# Altium PCB ARES_R06_Power.PcbDoc (part 3 of 4) (continued)
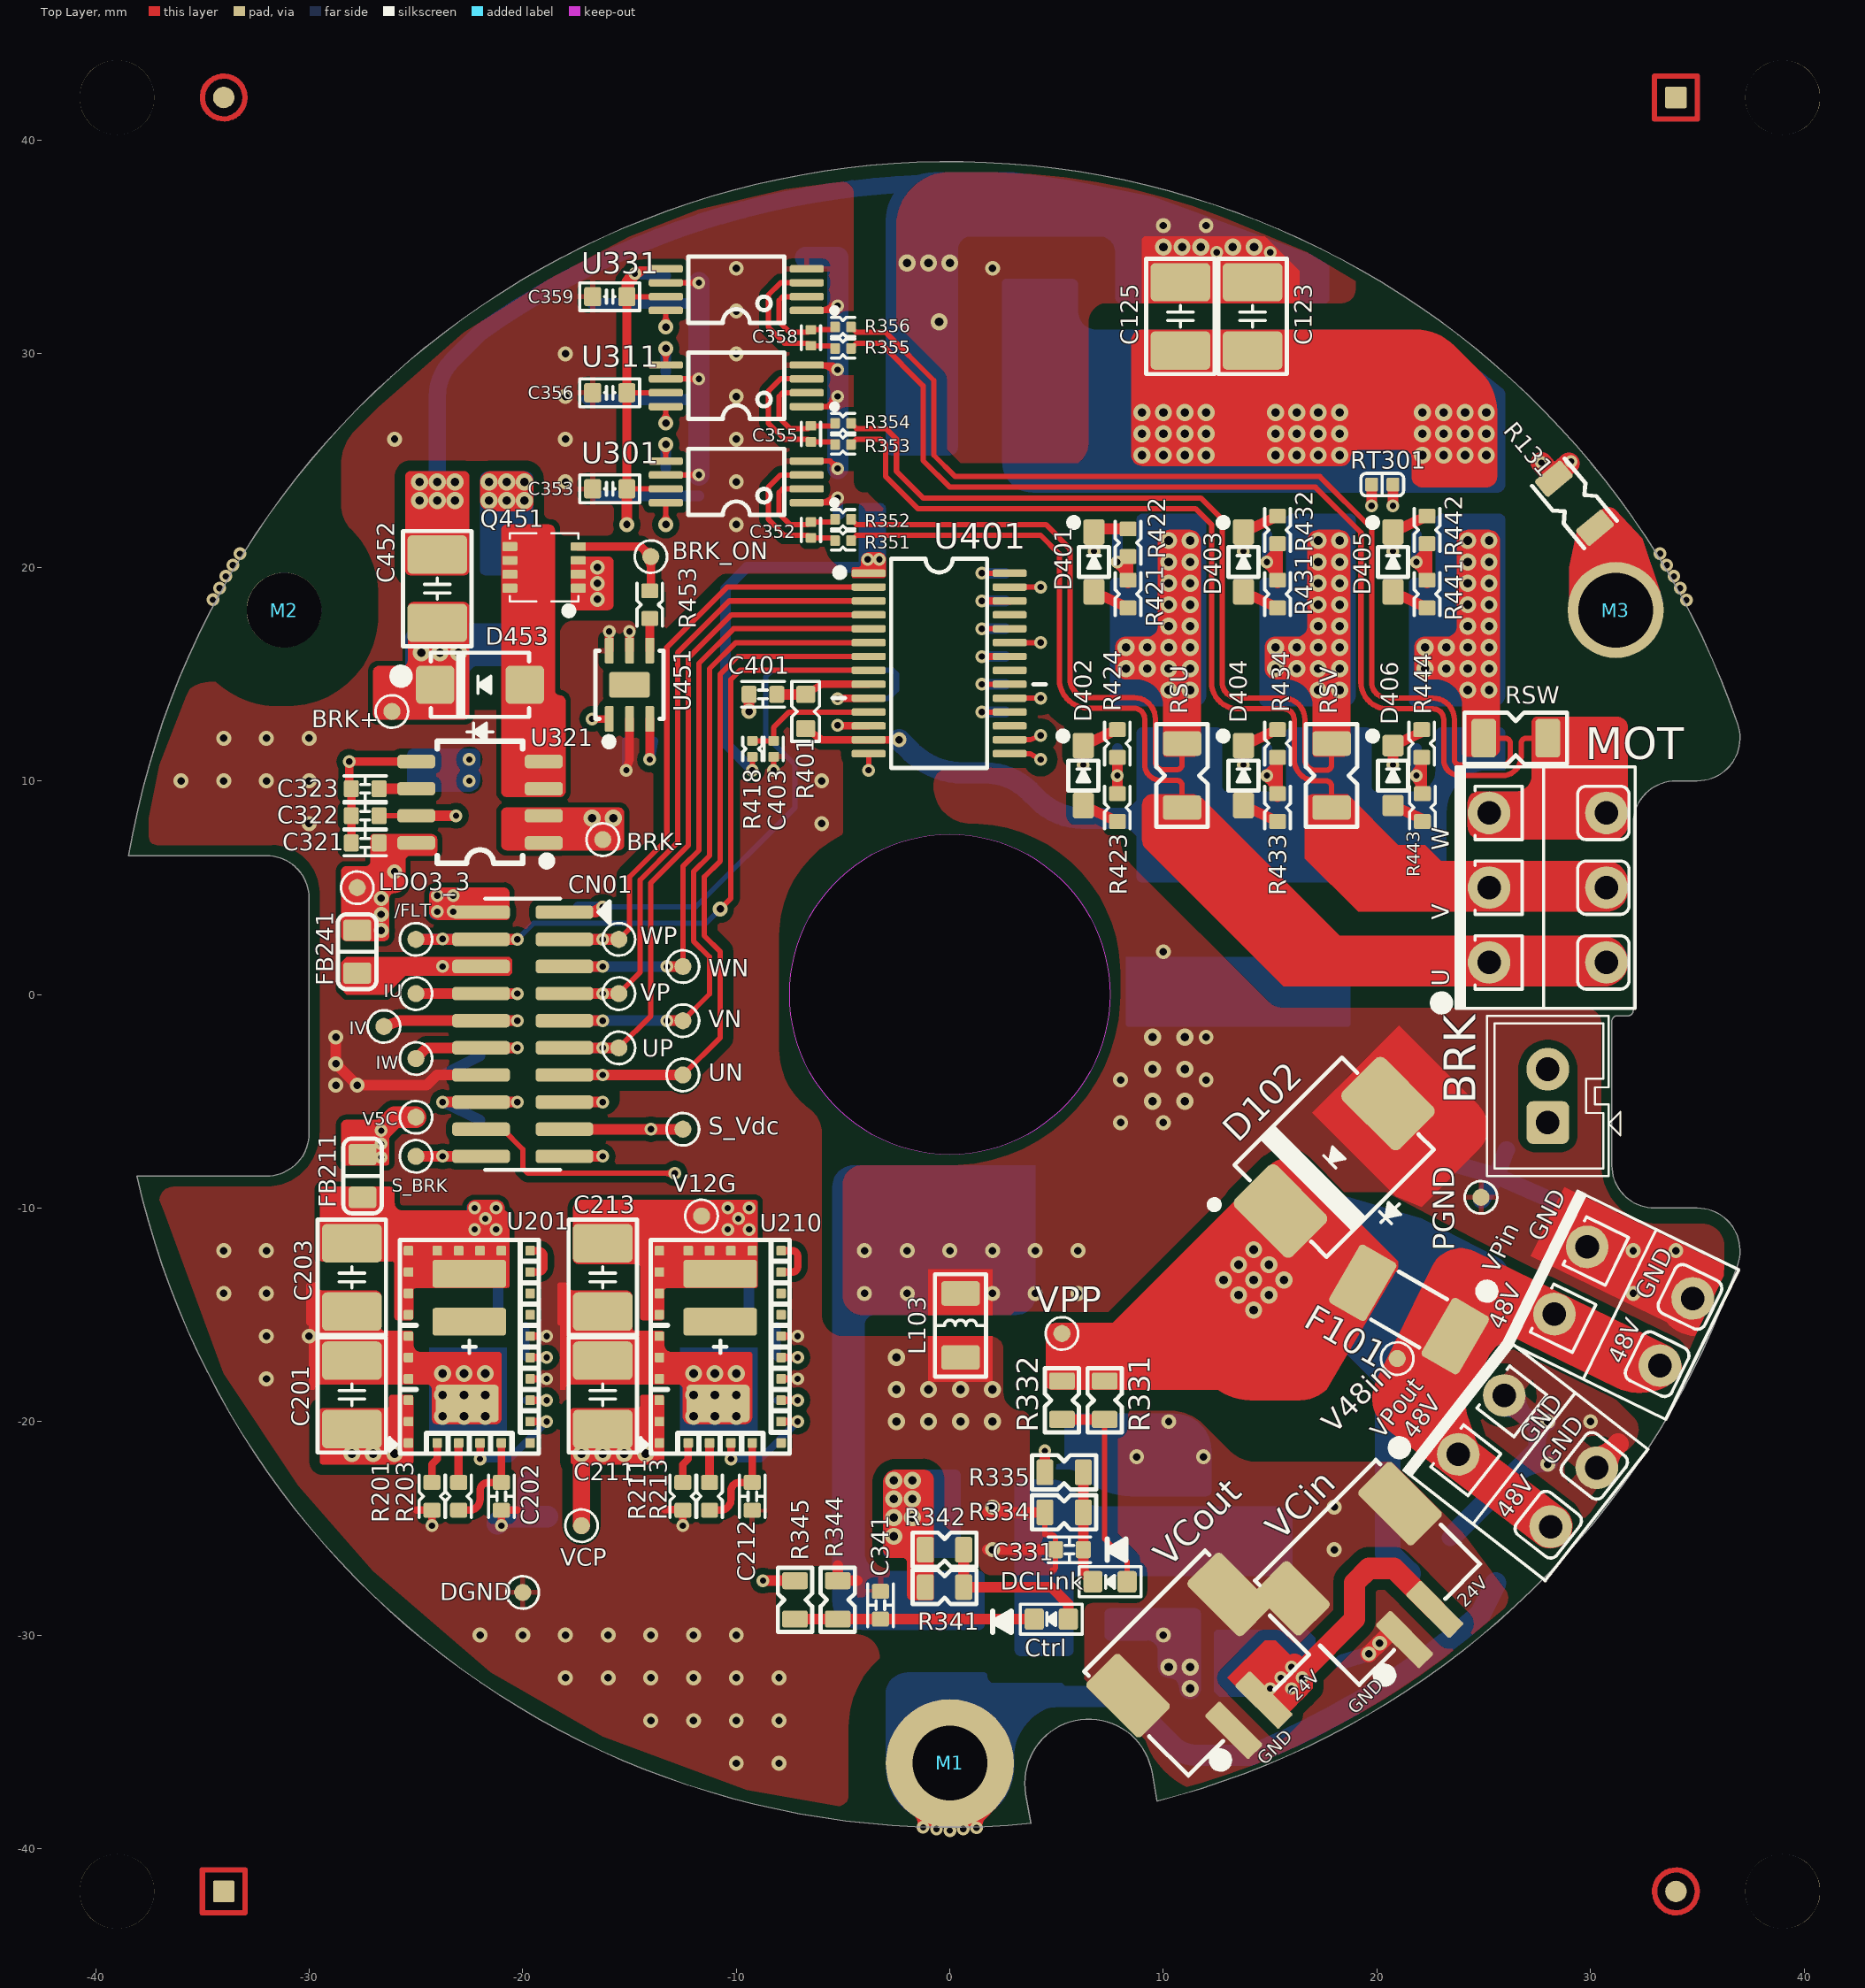
[diagram p0: Top Layer view]
## Other copper (continued)
  pour cut-out: 15.457,10.25 15.457,11.582 cw(c16,11.582) 16,12.125 8.375,12.125 8.375,11.125 8.62,11.125 cw(c8.62,10.683) 9.063,10.683 11.796,10.683 cw(c11.796,10.641) 11.837,10.641 11.837,10.837 cw(c12.125,10.837) 12.125,11.125 13.125,11.125 cw(c13.125,10.375) 13.875,10.375 ccw(c14,10.375) 14,10.25 14.375,10.25
  pour cut-out: -9.7,-28.25 -7.5,-28.25 -7.5,-27.8 -9.7,-27.8
Mid Layer 3:
  region net PH_U: 7.75,16.25 cw(c8.25,16.25) 8.25,16.75 ccw(c8.25,17.25) 8.75,17.25 8.75,21.25 cw(c9.25,21.25) 9.25,21.75 11.25,21.75 cw(c11.25,21.25) 11.75,21.25 11.75,14.25 cw(c11.25,14.25) 11.25,13.75 8.25,13.75 cw(c8.25,14.25) 7.75,14.25
  region net PH_V: 14.75,16.25 cw(c15.25,16.25) 15.25,16.75 ccw(c15.25,17.25) 15.75,17.25 15.75,21.25 cw(c16.25,21.25) 16.25,21.75 18.25,21.75 cw(c18.25,21.25) 18.75,21.25 18.75,14.25 cw(c18.25,14.25) 18.25,13.75 15.25,13.75 cw(c15.25,14.25) 14.75,14.25
  region net PH_W: 21.75,16.25 cw(c22.25,16.25) 22.25,16.75 ccw(c22.25,17.25) 22.75,17.25 22.75,21.25 cw(c23.25,21.25) 23.25,21.75 25.25,21.75 cw(c25.25,21.25) 25.75,21.25 25.75,14.25 cw(c25.25,14.25) 25.25,13.75 22.25,13.75 cw(c22.25,14.25) 21.75,14.25
  pour cut-out: 5,-6.125 5,-6.75 ccw(c6.125,-6.75) 6.125,-7.875 4.25,-7.875 cw(c4.25,-7.75) 4.125,-7.75 4.125,-6.375 cw(c4.375,-6.375) 4.375,-6.125
  region net PGND: -22.75,24.125 ccw(c-23.125,24.125) -23.125,24.5 -24.875,24.5 ccw(c-24.875,24.125) -25.25,24.125 -25.25,23 ccw(c-24.875,23) -24.875,22.625 -23.125,22.625 ccw(c-23.125,23) -22.75,23
  region net V48P: -19.5,24.125 ccw(c-19.875,24.125) -19.875,24.5 -21.625,24.5 ccw(c-21.625,24.125) -22,24.125 -22,23 ccw(c-21.625,23) -21.625,22.625 -19.875,22.625 ccw(c-19.875,23) -19.5,23
  region net PGND: 26.5,27.043 26.5,26.7 ccw(c27.6,26.7) 27.6,25.6 28.759,25.6 cw(c28.759,25.259) 29,25.5 29.412,25.088 cw(c28.715,24.392) 29.7,24.392 29.7,24.1 cw(c29.35,24.1) 29.35,23.75 27.25,23.75 ccw(c27.25,23) 26.502,22.95 26.15,22.95 26.15,27.05
  pour cut-out: -24.95,25.01 ccw(c-24.95,24.2) -25.76,24.2 -25.76,22.925 ccw(c-24.95,22.925) -24.95,22.115 -19.7,22.115 ccw(c-19.7,22.825) -18.99,22.825 -18.99,24.158 ccw(c-19.842,24.158) -19.842,25.01
  region net V24C: -3.125,-22.75 cw(c-2.625,-22.75) -2.625,-22.25 -1.75,-22.25 cw(c-1.75,-22.75) -1.25,-22.75 -1.25,-24.5 cw(c-1.75,-24.5) -1.75,-25 ccw(c-1.75,-25.375) -2.125,-25.375 cw(c-2.625,-25.375) -2.625,-25.875 cw(c-2.625,-25.375) -3.125,-25.375
  pour cut-out: -4.487,-9.811 ccw(c-4.487,-10.323) -5,-10.323 -5,-10.52 -5.105,-10.52 cw(c-5.105,-10) -5.625,-10 -5.625,-9.5 cw(c-5.375,-9.5) -5.375,-9.25 -4.75,-9.25 cw(c-4.75,-9.5) -4.5,-9.5
  pour cut-out: -8.584,5.377 -7.724,5.377 ccw(c-7.724,6.224) -7.125,5.625 cw(c-7.125,5.323) -6.912,5.537 -6.75,5.375 -6.75,5.229 cw(c-7.604,5.229) -7,4.625 -7.418,4.625 cw(c-7.418,6.332) -8.625,5.125
  pour cut-out: 12.25,20.75 12.25,21.75 cw(c12.625,21.75) 12.625,22.125 12,22.125 ccw(c12,21.875) 11.75,21.875 11.75,20.875 ccw(c11.875,20.875) 11.875,20.75
  pour cut-out: 11.349,13.24 25.25,13.24 ccw(c25.25,14.25) 26.26,14.25 26.26,20.99 ccw(c25,20.99) 25,22.25 6.75,22.25 ccw(c6.75,21.625) 6.125,21.625 6.125,14.625 6.894,14.625 cw(c6.894,14.278) 7.24,14.278 ccw(c8.269,14.278) 8.269,13.25 9.375,13.25
  region net +5V: -23.125,3.5 ccw(c-23.125,3.75) -22.875,3.75 -22.875,4.75 ccw(c-23.125,4.75) -23.125,5 -24.125,5 ccw(c-24.125,4.75) -24.375,4.75 -24.375,3.75 ccw(c-24.125,3.75) -24.125,3.5
Mid Layer 4:
  pour cut-out: 17.25,29.5 20.5,29.5 ccw(c20.5,30) 21,30 21,31.198 ccw(c18.46,31.198) 20.256,32.994 20,33.25 20.543,33.25 cw(c20.543,31.543) 21.75,32.75 21.75,29.854 cw(c20.896,29.854) 21.5,29.25 17.25,29.25
  region net PH_W: 22.25,13.75 25.25,13.75 ccw(c25.25,14.25) 25.75,14.25 25.75,21.25 ccw(c25.25,21.25) 25.25,21.75 24.25,21.75 ccw(c24.25,21.25) 23.75,21.25 23.75,17.25 cw(c23.25,17.25) 23.25,16.75 22.25,16.75 ccw(c22.25,16.25) 21.75,16.25 21.75,14.25 ccw(c22.25,14.25)
  region net PH_U: 9.25,14.75 cw(c9.25,14.25) 9.75,14.25 ccw(c10.25,14.25) 10.25,13.75 11.25,13.75 ccw(c11.25,14.25) 11.75,14.25 11.75,21.25 ccw(c11.25,21.25) 11.25,21.75 10.25,21.75 ccw(c10.25,21.25) 9.75,21.25 9.75,17.25 cw(c9.25,17.25) 9.25,16.75 8.25,16.75 ccw(c8.25,16.25) 7.75,16.25 7.75,15.25 ccw(c8.25,15.25) 8.25,14.75
  region net PH_V: 16.25,14.75 cw(c16.25,14.25) 16.75,14.25 ccw(c17.25,14.25) 17.25,13.75 18.25,13.75 ccw(c18.25,14.25) 18.75,14.25 18.75,21.25 ccw(c18.25,21.25) 18.25,21.75 17.25,21.75 ccw(c17.25,21.25) 16.75,21.25 16.75,17.25 cw(c16.25,17.25) 16.25,16.75 15.25,16.75 ccw(c15.25,16.25) 14.75,16.25 14.75,15.25 ccw(c15.25,15.25) 15.25,14.75
  region net PGND: -22.75,24.125 ccw(c-23.125,24.125) -23.125,24.5 -24.875,24.5 ccw(c-24.875,24.125) -25.25,24.125 -25.25,23 ccw(c-24.875,23) -24.875,22.625 -23.125,22.625 ccw(c-23.125,23) -22.75,23
  region net V48P: -19.5,24.125 ccw(c-19.875,24.125) -19.875,24.5 -21.625,24.5 ccw(c-21.625,24.125) -22,24.125 -22,23 ccw(c-21.625,23) -21.625,22.625 -19.875,22.625 ccw(c-19.875,23) -19.5,23
  pour cut-out: -24.95,25.01 ccw(c-24.95,24.2) -25.76,24.2 -25.76,22.925 ccw(c-24.95,22.925) -24.95,22.115 -19.7,22.115 ccw(c-19.7,22.825) -18.99,22.825 -18.99,24.158 ccw(c-19.842,24.158) -19.842,25.01
  pour cut-out: 30.5,-1 ccw(c29.875,-1) 29.875,-0.375 26.875,-0.375 ccw(c26.875,-1) 26.25,-1 26.25,-1.75 cw(c26,-1.75) 26,-2 cw(c26,-1.875) 25.875,-1.875 25.875,0 cw(c26.625,0) 26.625,0.75 29.875,0.75 cw(c29.875,0.125) 30.5,0.125
  pour cut-out: 25.125,10.5 ccw(c25.125,11.875) 26.5,11.875 26.5,12 26.75,12 cw(c26.75,11.75) 27,11.75 27,10.25 cw(c26.625,10.25) 26.625,9.875 25.25,9.875 cw(c25.25,10) 25.125,10
  pour cut-out: 25.25,-0.5 cw(c25.25,-1) 25.75,-1 25.75,0 ccw(c25.625,0) 25.625,0.125 25.375,0.125 ccw(c25.375,0) 25.25,0
  region net V24C: -3.125,-22.75 cw(c-2.625,-22.75) -2.625,-22.25 -1.75,-22.25 cw(c-1.75,-22.75) -1.25,-22.75 -1.25,-24.5 cw(c-1.75,-24.5) -1.75,-25 ccw(c-1.75,-25.375) -2.125,-25.375 cw(c-2.625,-25.375) -2.625,-25.875 cw(c-2.625,-25.375) -3.125,-25.375
  region net +5V: -23.125,3.5 ccw(c-23.125,3.75) -22.875,3.75 -22.875,4.75 ccw(c-23.125,4.75) -23.125,5 -24.125,5 ccw(c-24.125,4.75) -24.375,4.75 -24.375,3.75 ccw(c-24.125,3.75) -24.125,3.5
  pour cut-out: 3.443,19.075 3.443,11 ccw(c4.25,11) 4.25,10.193 5.553,10.193 cw(c5.553,9.859) 5.789,10.095 ccw(c6.156,10.463) 6.156,9.943 7.234,9.943 cw(c7.234,9.758) 7.365,9.889 7.453,9.801 ccw(c7.845,10.193) 7.845,9.638 10.263,9.638 ccw(c10.263,9.75) 10.375,9.75 7.625,10.875 6,11.125 5.04,11.518 5.04,20.835 5,20.875 5,20.868 4.74,20.868 4.74,20.372 cw(c4.25,20.372) 4.25,19.882
Bottom Layer:
  region net +12V: -4.25,22.875 cw(c-4.125,22.875) -4.125,23 -3.25,23 cw(c-3.25,22.75) -3,22.75 -3,20 cw(c-3.25,20) -3.25,19.75 -4.125,19.75 cw(c-4.125,19.875) -4.25,19.875
  pour cut-out: -3.317,15.933 ccw(c-3.317,16.5) -2.75,16.5 -2.75,18.25 ccw(c-3.895,18.295) -3.85,19.439 cw(c-3.207,18.357) -2.125,19 -2.125,15.875 cw(c-2.375,15.875) -2.375,15.625 -3.625,15.625 cw(c-3.625,15.75) -3.75,15.75 cw(c-3.567,15.75) -3.567,15.933
  region net PGND: 1.375,-27 cw(c1.375,-27.25) 1.625,-27.25 1.625,-29.5 cw(c1.375,-29.5) 1.375,-29.75 -4.144,-29.75 cw(c-4.144,-28.394) -5.5,-28.394 -5.5,-9.013 cw(c-4.487,-9.013) -4.487,-8 4,-8 4,-14.125 cw(c3.125,-14.125) 3.125,-15 -3.5,-15 ccw(c-3.5,-15.5) -4,-15.5 -4,-26.125 ccw(c-3.125,-26.125) -3.125,-27
  region net V24C: 0.25,-22.25 cw(c0.25,-22.5) 0.5,-22.5 0.5,-26.25 cw(c0.375,-26.25) 0.375,-26.375 -2.875,-26.375 cw(c-2.875,-26.125) -3.125,-26.125 -3.125,-22.875 cw(c-2.5,-22.875) -2.5,-22.25
  region net FG: 3,-35.802 3,-35.75 cw(c5.5,-35.75) 5.5,-33.25 5.5,-32.5 5.25,-32.25 2.1,-32.25 cw(c2.1,-31.9) 1.75,-31.9 ccw(c1.6,-31.9) 1.6,-31.75 0.5,-31.75 ccw(c0.5,-33.5) -1.25,-33.5 -1.25,-36.5 ccw(c-0.25,-36.5) -0.25,-37.5 1.5,-37.5 ccw(c1.5,-36.25) 2.75,-36.25
  region net V48P: 22.098,-10.484 17,-9 ccw(c17,-10.268) 16.104,-9.371 13.854,-11.621 12.497,-13.016 ccw(c12.874,-13.382) 12.503,-13.753 14.699,-15.949 ccw(c15,-15.649) 15.301,-15.949 15.875,-15.375 cw(c16.5,-16) 17.125,-15.375 20.125,-18.375 20.125,-19
  region net DGND: 9.25,-30.25 cw(c9.25,-30.75) 9.75,-30.75 9.75,-31.5 ccw(c10.25,-31.5) 10.25,-32 cw(c10.25,-32.5) 10.75,-32.5 ccw(c11.25,-32.5) 11.25,-33 ccw(c11.25,-32.5) 11.75,-32.5 11.75,-29 ccw(c11.5,-29) 11.5,-28.75 7.5,-28.75 ccw(c7.5,-29) 7.25,-29 7.25,-30 ccw(c7.5,-30) 7.5,-30.25
  region net NetC113_2: 15.541,-27.222 ccw(c15.541,-26.722) 16.041,-26.722 16.041,-24.722 ccw(c15.291,-24.722) 15.291,-23.972 7.058,-23.972 cw(c7.058,-22.724) 6.175,-23.606 5.632,-23.064 ccw(c4.808,-23.888) 4.808,-22.722 3.291,-22.722 ccw(c3.291,-22.972) 3.041,-22.972 3.041,-30.722 ccw(c3.291,-30.722) 3.291,-30.972 5.541,-30.972 ccw(c5.541,-30.722) 5.791,-30.722 5.791,-27.472 cw(c6.041,-27.472) 6.041,-27.222
  region net FG: 1.5,-31.75 cw(c1.5,-32) 1.75,-32 1.75,-33.146 ccw(c2.604,-33.146) 2,-33.75 2.256,-34.006 cw(c0.46,-35.802) 3,-35.802 3,-36.21 cw(c0.46,-36.21) 0.46,-38.75 -0.46,-38.75 cw(c-0.46,-36.21) -3,-36.21 -3,-32.75 cw(c-2,-32.75) -2,-31.75
  region net BRK+: -25.5,16.625 cw(c-24.75,16.625) -24.75,17.375 -20,17.375 cw(c-20,16.875) -19.5,16.875 -19.5,16 cw(c-20.125,16) -20.125,15.375 -22.125,15.375 ccw(c-22.125,15) -22.5,15 -22.5,13.125 cw(c-22.75,13.125) -22.75,12.875 -25.25,12.875 cw(c-25.25,13.125) -25.5,13.125
  region net PGND: -23.2,22.7 ccw(c-23.2,23.15) -22.75,23.15 -22.75,24.05 ccw(c-23.2,24.05) -23.2,24.5 -24.75,24.5 ccw(c-24.75,24) -25.25,24 -25.25,23.1 ccw(c-24.85,23.1) -24.85,22.7
  region net V48P: -22,21.5 -22,24.125 cw(c-21.625,24.125) -21.625,24.5 -19.875,24.5 cw(c-19.875,24.125) -19.5,24.125 -19.5,19.875 cw(c-19.75,19.875) -19.75,19.625 -21.75,19.625 cw(c-21.75,19.875) -22,19.875
  region net NetBRK_1: -25.4,11.25 -25.4,9.9 ccw(c-25,9.9) -25,9.5 -22.5,9.5 ccw(c-22.5,10) -22,10 -22,11.25 ccw(c-22.25,11.25) -22.25,11.5 -25.15,11.5 ccw(c-25.15,11.25)
  region net PGND: 8,32.375 17.625,32.375 17.75,32.5 17.75,34.123 17.682,34.191 16.855,34.687 14.125,35.5 7.75,35.5 7.75,32.625 ccw(c8,32.625)
  pour cut-out: 5.75,-31.73 9.788,-31.756 9.788,-30.788 ccw(c9.25,-30.788) 9.25,-30.25 7.5,-30.25 cw(c7.5,-30) 7.25,-30 7.25,-28.25 8.375,-27.125 7.25,-27.125 6.655,-27.125 ccw(c6.655,-28.405) 5.75,-27.5
  region net V48P: 19.381,-15.166 19.381,-15.756 cw(c17.888,-17.25) 20,-17.25 20,-18.146 ccw(c20.854,-18.146) 20.25,-18.75 20.75,-18.75 cw(c21.957,-19.957) 21.957,-18.25 22.009,-18.25 ccw(c22.009,-15.71) 23.805,-17.506 24.353,-16.958
  pour cut-out: 6.63,34.799 ccw(c5.929,34.799) 5.929,35.5 1,35.5 ccw(c1,34.88) 0.38,34.88 0.38,25.25 6.63,25.25
  pour cut-out: 17.25,32.375 18.75,32.375 ccw(c18.75,32.875) 19.25,32.875 ccw(c18.845,32.875) 19.131,33.161 18.545,33.748 cw(c20.768,33.748) 19.196,35.321 19.25,35.375 19.34,35.285 cw(c16.102,30.182) 22,31.5 17.25,31.5
  region net PGND: -2.75,25.25 0,25.25 ccw(c0,25.625) 0.375,25.625 0.375,34.875 cw(c1,34.875) 1,35.5 7,35.5 cw(c7,34.75) 7.75,34.75 7.75,32.65 ccw(c8.025,32.65) 8.025,32.375 9.625,32.375 10,32.75 10,35.5 10.75,35.5 10,36.25 10,36.75 ccw(c9.39,36.75) 9.51,37.348 5.625,38.125 3,38.5 -0.75,38.5 ccw(c-0.75,36.25) -3,36.25 -3,25.5 ccw(c-2.75,25.5)
  pour cut-out: 22.594,0.711 22.594,5.125 31,5.125 31,-1.625 30.5,-1.625 ccw(c30,-1.625) 30,-1.125 24.431,-1.125 cw(c24.431,0.711)
  region net V48P: 3.875,23.5 25.625,23.5 ccw(c25.625,23.875) 26,23.875 26,28.125 ccw(c25.7,28.125) 25.886,28.361 22.974,30.667 ccw(c21.657,29.005) 21.656,31.125 6.875,31.125 cw(c6.875,32) 6,32 6,33.25 ccw(c5.75,33.25) 5.75,33.5 2.625,33.5 ccw(c2.625,33.325) 2.45,33.325 2.45,24.925 ccw(c3.875,24.925)
  region net PH_U: 7.5,13.75 ccw(c7.75,13.75) 7.75,13.5 11.5,13.5 ccw(c11.5,14) 12,14 12,22.25 ccw(c11.75,22.25) 11.75,22.5 9,22.5 ccw(c9,22.25) 8.75,22.25 8.75,19.75 cw(c8.5,19.75) 8.5,19.5 7.75,19.5 ccw(c7.75,19.25) 7.5,19.25
  region net PH_V: 14.5,13.75 ccw(c14.75,13.75) 14.75,13.5 18.5,13.5 ccw(c18.5,14) 19,14 19,22.25 ccw(c18.75,22.25) 18.75,22.5 16,22.5 ccw(c16,22.25) 15.75,22.25 15.75,19.75 cw(c15.5,19.75) 15.5,19.5 14.75,19.5 ccw(c14.75,19.25) 14.5,19.25
  region net PH_W: 21.5,13.75 ccw(c21.75,13.75) 21.75,13.5 25.5,13.5 ccw(c25.5,14) 26,14 26,22.25 ccw(c25.75,22.25) 25.75,22.5 23,22.5 ccw(c23,22.25) 22.75,22.25 22.75,19.75 cw(c22.5,19.75) 22.5,19.5 21.75,19.5 ccw(c21.75,19.25) 21.5,19.25
  region net NetC203_2: -21.25,-11.375 ccw(c-21.25,-11) -20.875,-11 -20.875,-10 ccw(c-21.25,-10) -21.25,-9.625 -22.25,-9.625 ccw(c-22.25,-10) -22.625,-10 -22.625,-11 ccw(c-22.25,-11) -22.25,-11.375
  region net PGND: 8.25,1.75 12.25,1.75 15,1.75 18.75,1.75 18.75,-1.375 cw(c18.625,-1.375) 18.625,-1.5 8.375,-1.5 cw(c8.375,-1.375) 8.25,-1.375
  region net DRV_COM: 8.75,12.25 cw(c9,12.25) 9,12.5 12.5,12.5 cw(c12.5,12.25) 12.75,12.25 12.75,9.75 ccw(c13,9.75) 13,9.5 15.5,9.5 ccw(c15.5,9.75) 15.75,9.75 15.75,12.25 cw(c16,12.25) 16,12.5 19.5,12.5 cw(c19.5,12.25) 19.75,12.25 19.75,9.75 ccw(c20,9.75) 20,9.5 21.75,9.5 ccw(c21.75,10.5) 22.75,10.5 22.75,12.25 cw(c23,12.25) 23,12.5 25.75,12.5 cw(c25.75,12.25) 26,12.25 26,10.5 25.25,10.5 ccw(c25.25,8.5) 23.25,8.5 23.25,6.125 cw(c22.375,6.125) 22.375,5.25 9,5.25 cw(c9,5.5) 8.75,5.5
  region net MOT_W: 30.75,7.5 ccw(c30.75,8.5) 31.75,8.5 31.75,8.625 ccw(c30.875,8.625) 30.875,9.5 25.125,9.5 ccw(c25.125,8.625) 24.25,8.625 24.25,8.5 ccw(c25.25,8.5) 25.25,7.5
  region net MOT_V: 30.75,4 ccw(c30.75,5) 31.75,5 31.75,5.125 ccw(c30.875,5.125) 30.875,6 25.125,6 ccw(c25.125,5.125) 24.25,5.125 24.25,5 ccw(c25.25,5) 25.25,4
  region net MOT_U: 30.75,0.5 ccw(c30.75,1.5) 31.75,1.5 31.75,1.625 ccw(c30.875,1.625) 30.875,2.5 25.125,2.5 ccw(c25.125,1.625) 24.25,1.625 24.25,1.5 ccw(c25.25,1.5) 25.25,0.5
  pour cut-out: 8.375,32.375 cw(c8.375,33) 7.75,33 7.75,35 ccw(c7.25,35) 7.25,35.5 2,35.5 ccw(c2,35.375) 1.875,35.375 1.875,32.875 ccw(c2.375,32.875) 2.375,32.375
  region net V48P: 20.5,-16.875 19.54,-15.706 cw(c20.137,-15.215) 19.464,-14.835 21.558,-10.727 cw(c21.969,-10.937) 22.18,-10.527 25.649,-12.312 cw(c25.21,-13.166) 26.065,-13.602 24.454,-16.761 cw(c22.609,-15.82) 21.427,-17.52
  pour cut-out: -12.6,33 -12.6,34.155 cw(c-11.405,34.155) -12.25,35 -12.088,35.162 cw(c-11.875,34.948) -11.875,35.25 -12.396,35.25 ccw(c-12.396,34.396) -13,35 -13,33.302 ccw(c-12.573,33.302) -12.875,33
  pour cut-out: -24.95,25.01 ccw(c-24.95,24.2) -25.76,24.2 -25.76,22.925 ccw(c-24.95,22.925) -24.95,22.115 -19.7,22.115 ccw(c-19.7,22.825) -18.99,22.825 -18.99,24.158 ccw(c-19.842,24.158) -19.842,25.01
  region net FG1: 32.433,21.351 31.177,22.68 ccw(c30.837,22.36) 30.537,22.719 29.375,21.75 29,20 29,18 33.375,18 33.375,18.5
  pour cut-out: -6.25,-28.875 -6.25,-36.75 cw(c-7.125,-36.75) -7.125,-37.625 -8.125,-37.625 -8.125,-37.75 ccw(c-7.625,-37.75) -7.625,-38.25 -3.75,-38.25 ccw(c-3.75,-37.875) -3.375,-37.875 -3.375,-30 ccw(c-3.625,-30) -3.625,-29.75 -5.125,-29.75 cw(c-5.125,-28.875) -6,-28.875
  pour cut-out: 6.125,-21.375 cw(c5.26,-21.375) 5.26,-22.24 1.01,-22.24 cw(c1.01,-22.163) 0.933,-22.163 0.933,-22.558 ccw(c1,-22.558) 1,-22.625 6,-22.625 ccw(c6,-22.5) 6.125,-22.5
  pour cut-out: 17.625,-21.875 18.625,-21.875 cw(c18.625,-22.625) 19.375,-22.625 19.375,-21.5 ccw(c18.875,-21.5) 18.875,-21 17.625,-21
  pour cut-out: 17.625,-20.5 18.625,-20.5 ccw(c18.625,-19.75) 19.375,-19.75 19.375,-20.875 cw(c18.875,-20.875) 18.875,-21.375 17.625,-21.375
  pour cut-out: 19.391,-26.175 ccw(c21.192,-26.175) 19.918,-27.449 21.22,-28.751 cw(c20.846,-29.125) 21.375,-29.125 21.375,-29.436 cw(c20.521,-29.436) 21.125,-30.039 21.711,-30.039 ccw(c21.711,-29.625) 22.125,-29.625 ccw(c20.616,-29.625) 21.683,-28.558 19.89,-26.765 cw(c20.53,-26.125) 19.625,-26.125
  pour cut-out: 17.635,-30.125 17.635,-31.635 ccw(c17.875,-31.635) 17.875,-31.875 18.75,-31.875 cw(c18.375,-31.875) 18.375,-32.25 17.5,-32.25 cw(c17.5,-32.125) 17.375,-32.125 17.375,-30.125
  pour cut-out: 11.865,-31.573 11.865,-32.385 cw(c11.25,-32.385) 11.25,-33 10.94,-33 cw(c10.94,-32.081) 10.021,-32.081 10.021,-33.271 ccw(c10.5,-33.271) 10.5,-33.75 12.026,-33.75 ccw(c12.026,-33.346) 12.43,-33.346 12.43,-31.805 ccw(c12.125,-31.805) 12.125,-31.5
  pour cut-out: -4.5,24.349 -4.5,23.549 cw(c-4.849,23.549) -4.849,23.2 -4.3,23.2 ccw(c-4.3,23.5) -4,23.5 -4,24.25 ccw(c-4.125,24.25) -4.125,24.375
  pour cut-out: 9.5,3 ccw(c9.5,1.484) 7.984,1.484 7.984,1.418 7.832,1.418 cw(c7.832,1.75) 7.5,1.75 7.5,2.623 cw(c8.45,2.623) 8.45,3.573 9.427,3.573 cw(c9.427,3.5) 9.5,3.5
  pour cut-out: -2,-16 -2.99,-16 ccw(c-2.99,-16.501) -3.49,-16.501 -3.49,-20.874 ccw(c-2.624,-20.874) -2.624,-21.74 -3.51,-21.74 cw(c-3.51,-21.5) -3.75,-21.5 -3.75,-15.875 cw(c-3.5,-15.875) -3.5,-15.625 -2.125,-15.625 cw(c-2.125,-15.75) -2,-15.75
  region net DGND: 4.974,-22.24 5.498,-22.24 cw(c5.498,-23.127) 6.125,-22.5 6.171,-22.546 ccw(c8.45,-20.268) 8.45,-23.49 12.01,-23.49 ccw(c12.01,-23.25) 12.25,-23.25 12.25,-21.375 ccw(c10.5,-21.375) 10.5,-19.625 5.875,-19.625 ccw(c5.875,-20.125) 5.375,-20.125 5.375,-21.625 cw(c5,-21.625) 5,-22
  pour cut-out: -7.172,-4.806 cw(c-9.096,-6.73) -6.375,-6.73 -6.375,-36.374 cw(c-7.588,-36.374) -7.588,-37.587 -6.212,-37.587 ccw(c-6.212,-37.25) -5.875,-37.25 -5.875,-5.5 ccw(c-6.625,-5.5) -6.625,-4.75
  region net +5V: -23.125,3.5 ccw(c-23.125,3.75) -22.875,3.75 -22.875,4.75 ccw(c-23.125,4.75) -23.125,5 -24.125,5 ccw(c-24.125,4.75) -24.375,4.75 -24.375,3.75 ccw(c-24.125,3.75) -24.125,3.5
  pour cut-out: 21.75,-23.25 21.75,-16.5 19.375,-16.5 19.375,-23.25
  pour cut-out: 22.472,-22.75 21.75,-22.028 21.75,-19.309 22.309,-18.75 21.25,-18.75 21.25,-23.25
  pour cut-out: 27.156,-23.78 26.049,-24.887 25.084,-24.887 26.447,-26.25 27.75,-26.25
  pour cut-out: 21.875,3 22.625,2.25 22.625,4.375 22.25,4.75 11.5,4.75 11,4.25 11,3
  region net PGND: 16.855,34.687 9.51,37.348 9.125,34.75 15.25,34.5
  region net DGND: -9,-16.536 -12.625,-16.536 -12.625,-20.625 -9,-20.625
  region net DGND: -20.75,-16.536 -24.375,-16.536 -24.375,-20.625 -20.75,-20.625
  region net V24in: 16.375,-32.875 17.125,-32.125 17.125,-30.125 16.75,-29.75 12.5,-29.75 12.375,-29.875 12.375,-32.625 12.625,-32.875
Multi-Layer:
  pour cut-out: -2.75,12.75 cw(c-3.125,12.75) -3.125,12.375 -4.75,12.375 ccw(c-4.75,12.125) -5,12.125 -5,7.625 cw(c-5.25,7.625) -5.25,7.375 -3,7.375 ccw(c-3,7.875) -2.5,7.875 -2.5,12.625 ccw(c-2.625,12.625) -2.625,12.75
  region net V48P: 13.877,-11.598 cw(c14.23,-11.952) 14.584,-11.598 16.705,-13.72 cw(c16.351,-14.073) 16.705,-14.427 15.291,-15.841 cw(c14.937,-15.487) 14.584,-15.841 12.462,-13.72 cw(c12.816,-13.366) 12.462,-13.013
  pour cut-out: 1.62,20.337 cw(c1.621,19.833) 2.125,19.833 2.125,10.975 cw(c1.75,10.975) 1.75,10.6 -0.039,10.6 ccw(c-0.039,9.889) -0.75,9.889 -1.689,9.889 cw(c-1.689,10.2) -2,10.2 -2,20.368 -0.75,20.868 ccw(c-0.031,21.087) -0.25,20.368
  region net NetC203_2: -21.225,-11.375 ccw(c-21.225,-11) -20.85,-11 -20.85,-10 ccw(c-21.225,-10) -21.225,-9.625 -22.225,-9.625 ccw(c-22.225,-10) -22.6,-10 -22.6,-11 ccw(c-22.225,-11) -22.225,-11.375
  region net +12V: -9.375,-11.375 ccw(c-9.375,-11) -9,-11 -9,-10 ccw(c-9.375,-10) -9.375,-9.625 -10.375,-9.625 ccw(c-10.375,-10) -10.75,-10 -10.75,-11 ccw(c-10.375,-11) -10.375,-11.375
  pour cut-out: -31.354,13.65 cw(c-31.354,18.25) -35.954,18.25 cw(c-31.354,18.25) -31.354,22.85 cw(c-31.354,18.25) -26.754,18.25 cw(c-31.354,18.25)
  pour cut-out: 0,-40.35 cw(c0,-35.75) -4.6,-35.75 cw(c0,-35.75) 0,-31.15 cw(c0,-35.75) 4.6,-35.75 cw(c0,-35.75)
  region net V48P: 25.625,27.25 25.625,25.25 cw(c25.125,25.25) 25.125,24.75 22.125,24.75 cw(c22.125,25.25) 21.625,25.25 21.625,27.25 cw(c22.125,27.25) 22.125,27.75 25.125,27.75 cw(c25.125,27.25)
  region net V48P: 18.75,27.25 18.75,25.25 cw(c18.25,25.25) 18.25,24.75 15.25,24.75 cw(c15.25,25.25) 14.75,25.25 14.75,27.25 cw(c15.25,27.25) 15.25,27.75 18.25,27.75 cw(c18.25,27.25)
  region net V48P: 12.5,27.25 12.5,25.25 cw(c12,25.25) 12,24.75 9,24.75 cw(c9,25.25) 8.5,25.25 8.5,27.25 cw(c9,27.25) 9,27.75 12,27.75 cw(c12,27.25)
  pour cut-out: -37,-10 -37,-9.625 cw(c-36.375,-9.625) -36.375,-9 -36.375,-8.625 -37.375,-8.625 ccw(c-37.375,-8.75) -37.5,-8.75 -37.5,-9.875 ccw(c-37.375,-9.875) -37.375,-10
  pour cut-out: -37.5,8.625 -37.5,7.375 ccw(c-37.125,7.375) -37.125,7 -37.75,7 cw(c-37.75,7.25) -38,7.25 -38,8.375 cw(c-37.75,8.375) -37.75,8.625
  pour cut-out: -33.875,14.625 -34.72,14.625 ccw(c-34.72,13.345) -35.625,14.25 -35.625,15.198 cw(c-35.198,15.198) -35.5,15.5 -34.177,15.5 cw(c-34.177,15.073) -33.875,15.375
  pour cut-out: 23.24,1.5 23.24,8.5 cw(c25.25,8.5) 25.25,10.51 cw(c25.25,8.5) 27.26,8.5 27.26,1.5 cw(c25.25,1.5) 25.25,-0.51 cw(c25.25,1.5)
  pour cut-out: 28.74,1.5 28.74,8.5 cw(c30.75,8.5) 30.75,10.51 cw(c30.75,8.5) 32.76,8.5 32.76,1.5 cw(c30.75,1.5) 30.75,-0.51 cw(c30.75,1.5)
  pour cut-out: 31.104,13.4 cw(c31.104,18) 26.504,18 cw(c31.104,18) 31.104,22.6 cw(c31.104,18) 35.704,18 cw(c31.104,18)
  pour cut-out: 1.5,12.613 cw(c1.5,13.225) 0.888,13.225 0.888,19.725 cw(c1.5,19.725) 1.5,20.337 cw(c1.5,19.725) 2.112,19.725 2.112,13.225 cw(c1.5,13.225)
  pour cut-out: 28.625,-7.375 ccw(c28.625,-6.625) 29.375,-6.625 29.375,-3.5 ccw(c28,-3.5) 28,-2.125 ccw(c28,-3.5) 26.625,-3.5 26.625,-6.625 ccw(c27.375,-6.625) 27.375,-7.375
  pour cut-out: -17.057,-4.845 ccw(c-16.25,-4.845) -16.25,-5.652 ccw(c-16.25,-4.845) -15.443,-4.845 -15.443,3.905 ccw(c-16.25,3.905) -16.25,4.712 ccw(c-16.25,3.905) -17.057,3.905
  pour cut-out: -20.25,-3.112 ccw(c-20.25,-2.5) -19.638,-2.5 -19.638,0.04 ccw(c-20.25,0.04) -20.25,0.652 ccw(c-20.25,0.04) -20.862,0.04 -20.862,-2.5 ccw(c-20.25,-2.5)
  region net V24in: 16.125,-32.875 16.875,-32.125 16.875,-31.875 16.125,-31.125 15.875,-31.125 14.625,-32.375 14.625,-32.625 14.875,-32.875
  lines w0.8 net V24C: -28,-21.5 -27,-21.5 -26,-21.5 ; -17.25,-21.5 -14.25,-21.5

## Silkscreen, mask and mechanical layers (free items; w line width, h text height)
Top Overlay:
  drawing of 83 lines, arcs and shapes, not listed
  text "W" at 23.375,6.75 h0.8 r90
  text "V" at 23.375,3.5 h0.8 r90
  text "U" at 23.375,0.375 h0.8 r90
  text "GND" at 27.75,-11.625 h0.8 r63
  text "GND" at 32.75,-14.375 h0.8 r63
  text "48V" at 25.875,-15.75 h0.8 r65
  text "48V" at 31.5,-17.375 h0.8 r65
  text "48V" at 21.75,-20.875 h0.8 r53
  text "GND" at 27.25,-21.125 h0.8 r53
  text "GND" at 28.25,-22.125 h0.8 r53
  text "48V" at 26.125,-24.625 h0.8 r53
  text "24V" at 24.125,-28.75 h0.6 r45
  text "24V" at 16.25,-33.125 h0.6 r45
  text "GND" at 19,-33.75 h0.6 r45
  text "GND" at 14.75,-36.125 h0.6 r45
Bottom Overlay:
  circle w0.1: c11.656,-26.616 r0.304
  circle w0.1: c-1.344,-25.866 r0.304
  circle w0.1: c-19.594,15.634 r0.304
  region: 11.656,-26.921 ccw(c11.656,-26.616) 11.96,-26.616 ccw(c11.656,-26.616) 11.656,-26.312 ccw(c11.656,-26.616) 11.352,-26.616 ccw(c11.656,-26.616)
  region: -1.344,-26.171 ccw(c-1.344,-25.866) -1.04,-25.866 ccw(c-1.344,-25.866) -1.344,-25.562 ccw(c-1.344,-25.866) -1.648,-25.866 ccw(c-1.344,-25.866)
  region: -19.594,15.329 ccw(c-19.594,15.634) -19.29,15.634 ccw(c-19.594,15.634) -19.594,15.938 ccw(c-19.594,15.634) -19.898,15.634 ccw(c-19.594,15.634)
  region: 6,-14.95 6,-12.95 -5.625,-12.95 -5.625,-14.95
  region: 5.5,-17.2 5.5,-15.2 -5.625,-15.2 -5.625,-17.2
  text "W" at 26.75,8.25 h0.8 r270
  text "V" at 26.75,4.75 h0.8 r270
  text "U" at 26.75,1.375 h0.8 r270
  text "21.04.05" at 1.375,-9.125 h0.8
  text "(Ver.0.24)" at 1.5,-10.625 h0.8
  text "HIGEN" at 11,-10.75 h2.5
  text "ARES_R06_Power" at 11,-12.375 h1
  text "S/N :" at 11.125,-14.45 h1.2
  text "TYPE :" at 11.125,-16.7 h1.2
Top Solder:
  lines w1: 10.75,7.25 16.25,1.75 22.625,1.75 ; 17.875,7.25 17.875,6.875 20,4.75 22.625,4.75
Bottom Solder:
  lines w0.75: 22,8.25 23.25,10
Mechanical 1:
  circle w0.01: c0,0 r7.5
  lines w0.01: -31.09,6.281 cw(c-32,4.5) -30.25,5.468 ; -38.455,6.5 cw(c0,0) 36.892,12.649 cw(c35,12) 35,10 34,10 ccw(c34,8) 32,8 32,-0.75 cw(c31.75,-0.75) 31.75,-1 31.25,-1 ccw(c31.25,-1.25) 31,-1.25 31,-8 ccw(c33,-8) 33,-10 35,-10 cw(c35,-12) 36.892,-12.649 cw(c0,0) 9.707,-37.773 9.466,-36.409 ccw(c6.512,-36.93) 3.557,-37.451 3.798,-38.815 cw(c0,0) -38.062,-8.5 -32,-8.5 ccw(c-32,-6.5) -30,-6.5 -30,4.5 ccw(c-32,4.5) -32,6.5 -38.455,6.5
Mechanical 2:
  circle w0.01: c0,-36 r3
  circle w0.01: c0,-36 r1.7
  circle w0.01: c-31.177,18 r3
  circle w0.01: c-31.177,18 r1.7
  circle w0.01: c31.177,18 r1.7
  circle w0.01: c0,0 r37.5
  circle w0.01: c31.177,18 r3
  lines w0.01: -31.992,16.508 ccw(c0,0) -1.7,-35.96 ; -25.981,15 -31.177,18 cw(c0,0) 31.177,18 36.373,21 ; 0,-34.82 0,-36 ccw(c0,0) 31.992,16.508 ; 0,7.5 0,0 7.5,0 ; 25.981,15 29.705,17.15
  lines w0.15: 16.043,-26.45 16.043,-28.281 17.325,-28.281
  lines w0.2: -30,30 0,0
  lines w0.25: -27.72,24.595 -25.405,22.28 ; -27.72,25.405 -25.405,27.72 ; -27.691,24.434 -24.434,27.691 ; -27.691,25.566 -24.434,22.309 ; -27.424,23.701 -23.701,27.424 ; -27.424,26.299 -23.701,22.576 ; -27.006,23.119 -23.119,27.006 ; -27.006,26.881 -23.119,22.994 ; -26.457,22.668 -22.668,26.457 ; -26.457,27.332 -22.668,23.543 ; -25.766,22.359 -22.359,25.766 ; -25.766,27.641 -22.359,24.234 ; -24.872,22.253 -22.253,24.872 ; -24.872,27.747 -22.253,25.128 ; 22.253,24.872 24.872,22.253 ; 22.28,25.405 24.595,27.72 ; 22.309,24.434 25.566,27.691 ; 22.359,25.766 25.766,22.359 ; 22.576,23.701 26.299,27.424 ; 22.668,26.457 26.457,22.668 ; 22.994,23.119 26.881,27.006 ; 23.119,27.006 27.006,23.119 ; 23.543,22.668 27.332,26.457 ; 23.701,27.424 27.424,23.701 ; 24.234,22.359 27.641,25.766 ; 24.434,27.691 27.691,24.434 ; 25.128,22.253 27.747,24.872 ; 25.405,27.72 27.72,25.405
  lines w0.254: -27.72,25.405 ccw(c-25,25) -27.691,24.434 ccw(c-25,25) -27.424,23.701 ccw(c-25,25) -27.006,23.119 ccw(c-25,25) -26.457,22.668 ccw(c-25,25) -25.766,22.359 ccw(c-25,25) -24.872,22.253 ccw(c-25,25) -22.253,24.872 ccw(c-25,25) -22.25,25 ccw(c-25,25) -22.359,25.766 ccw(c-25,25) -22.668,26.457 ccw(c-25,25) -23.119,27.006 ccw(c-25,25) -23.701,27.424 ccw(c-25,25) -24.434,27.691 ccw(c-25,25) -25.405,27.72 ccw(c-25,25) -27.72,25.405 ; 22.253,24.872 cw(c25,25) 22.359,25.766 cw(c25,25) 22.668,26.457 cw(c25,25) 23.119,27.006 cw(c25,25) 23.701,27.424 cw(c25,25) 24.434,27.691 cw(c25,25) 25.405,27.72 cw(c25,25) 27.72,25.405 cw(c25,25) 27.691,24.434 cw(c25,25) 27.424,23.701 cw(c25,25) 27.006,23.119 cw(c25,25) 26.457,22.668 cw(c25,25) 25.766,22.359 cw(c25,25) 25,22.25 cw(c25,25) 24.872,22.253 cw(c25,25) 22.253,24.872
Mechanical 3:
  drawing of 1070 lines, arcs and shapes, not listed
Mechanical 4:
  lines w0.1: -37.338,19.248 cw(c-36.472,18.748) -35.972,19.614 -35.098,19.109 cw(c-35.598,18.243) -34.732,17.743 ; -37.332,19.244 ccw(c0,0) -1.998,-41.952 ; -35.373,22.732 ccw(c-34.507,22.232) -35.007,21.366 -34.098,20.841 ccw(c-33.598,21.707) -32.732,21.207 ; -35.333,22.706 cw(c0,0) 35.331,22.71 ; -2,-42 ccw(c-2,-41) -1,-41 -1,-39.95 ccw(c-2,-39.95) -2,-38.95 ; 2,-41.96 cw(c2,-40.96) 1,-40.96 1,-39.95 cw(c2,-39.95) 2,-38.95 ; 2.002,-41.952 ccw(c0,0) 37.331,19.246 ; 32.732,21.207 ccw(c33.598,21.707) 34.098,20.841 34.972,21.346 ccw(c34.472,22.212) 35.338,22.712 ; 37.373,19.268 ccw(c36.507,18.768) 36.007,19.634 35.098,19.109 ccw(c35.598,18.243) 34.732,17.743 ; -32.732,21.207 -32.732,21.207 ; -2,-38.95 -2,-38.95 ; 34.732,17.743 34.732,17.743 ; -44,-47 44,-47 44,47 -44,47 -44,-47
  text "Guide" at 31,-38 h4